# KiCad board WLED Matrix.kicad_pcb (continued)
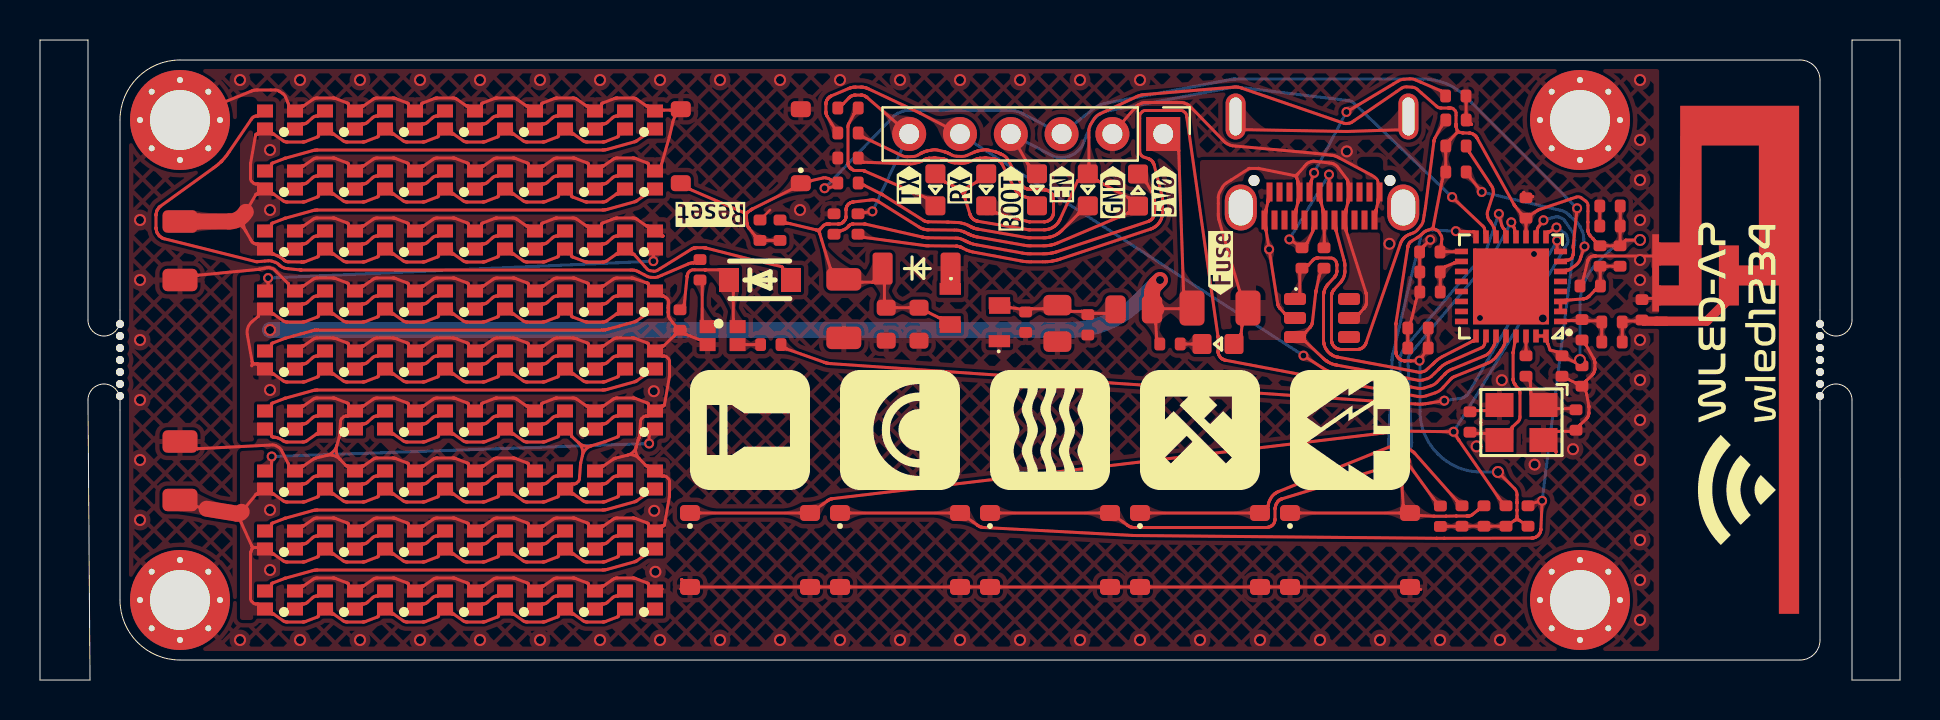
[diagram p0: board, top side]
## Routing (per net, layer and track width the routed paths; a pad name or vN(x,y) marks a point on that pad's centre or on a via; arc(x,y) is an arc through that point) (continued)
GND: length 337.8
  Top w0.127: 66.72,25.14 66.82,25.07 arc(66.84,25.05) 66.86,25.02 66.89,24.97 arc(66.9,24.94) 66.9,24.91 66.9,24.84 arc(66.9,24.81) 66.91,24.78 66.94,24.6 arc(66.96,24.4) 66.94,24.2 ; C60.2 36.5,23.5
  Top w0.15: 15.01,11.02 15.3,10.72 arc(15.31,10.71) 15.31,10.71 15.33,10.7 arc(15.33,10.7) 15.34,10.7 15.39,10.7 arc(15.42,10.69) 15.45,10.68 15.59,10.57 arc(15.75,10.52) 15.91,10.58 16.05,10.68 arc(16.08,10.69) 16.11,10.7 16.16,10.7 arc(16.16,10.7) 16.17,10.7 16.18,10.71 arc(16.18,10.71) 16.19,10.71 arc(16.19,10.71) 16.2,10.72 16.64,11.03 16.68,11.06 arc(16.71,11.07) 16.73,11.08 16.78,11.09 arc(16.8,11.1) 16.82,11.1 17.66,11.1 arc(17.68,11.1) 17.69,11.1 17.72,11.09 arc(17.74,11.09) 17.75,11.08 18.37,10.85 arc(18.38,10.85) 18.39,10.84 arc(18.4,10.84) 18.41,10.83 18.42,10.81 arc(18.42,10.8) 18.43,10.79 18.43,10.74 arc(18.43,10.7) 18.45,10.68 18.59,10.57 arc(18.75,10.52) 18.91,10.57 19.05,10.68 arc(19.08,10.69) 19.11,10.7 19.16,10.7 arc(19.16,10.7) 19.17,10.7 19.18,10.71 arc(19.18,10.71) 19.19,10.71 arc(19.19,10.71) 19.2,10.72 19.64,11.03 19.68,11.06 arc(19.71,11.07) 19.73,11.08 19.78,11.09 arc(19.8,11.1) 19.82,11.1 20.66,11.1 arc(20.68,11.1) 20.69,11.1 20.72,11.09 arc(20.74,11.09) 20.75,11.08 21.37,10.85 arc(21.38,10.85) 21.39,10.84 arc(21.4,10.84) 21.41,10.83 21.42,10.81 arc(21.42,10.8) 21.43,10.79 21.43,10.74 arc(21.43,10.7) 21.45,10.68 21.59,10.57 arc(21.75,10.52) 21.91,10.57 22.05,10.68 arc(22.08,10.69) 22.11,10.7 22.16,10.7 arc(22.16,10.7) 22.17,10.7 22.18,10.71 arc(22.18,10.71) 22.19,10.71 arc(22.19,10.71) 22.2,10.72 22.64,11.03 22.68,11.06 arc(22.71,11.07) 22.73,11.08 22.78,11.09 arc(22.8,11.1) 22.82,11.1 23.66,11.1 arc(23.68,11.1) 23.69,11.1 23.72,11.09 arc(23.74,11.09) 23.75,11.08 24.37,10.85 arc(24.38,10.85) 24.39,10.84 arc(24.4,10.84) 24.41,10.83 24.42,10.81 arc(24.42,10.8) 24.43,10.79 24.43,10.74 arc(24.43,10.7) 24.45,10.68 RGB48.3 ; 15.01,11.02 arc(14.83,11.35) 14.84,11.72 ; 15.01,11.02 arc(14.69,11.22) 14.32,11.22 ; C55.2 77.08,19.86 arc(77.15,20.02) 77.2,20.19 77.37,20.89 arc(77.37,20.9) 77.37,20.9 arc(77.37,20.91) 77.37,20.91 77.37,20.92 arc(77.38,20.92) 77.38,20.92 77.38,20.93 arc(77.38,20.94) 77.38,20.94 77.39,20.95 arc(77.39,20.96) 77.39,20.97 arc(77.39,20.97) 77.39,20.98 77.4,20.99 arc(77.41,21.01) 77.41,21.03 77.44,21.06 arc(77.45,21.07) 77.46,21.09 77.46,21.09 arc(77.47,21.1) 77.48,21.11 arc(77.49,21.12) 77.5,21.13 77.52,21.14 arc(77.54,21.16) 77.57,21.18 77.64,21.2 arc(77.67,21.21) 77.7,21.21 77.73,21.2 arc(77.74,21.2) 77.74,21.2 arc(77.74,21.2) 77.74,21.2 arc(77.74,21.2) 77.74,21.2 77.76,21.2 arc(77.77,21.2) 77.77,21.2 arc(77.77,21.2) 77.78,21.2 77.78,21.2 arc(77.78,21.2) 77.79,21.2 arc(77.79,21.2) 77.79,21.2 80.62,21.2 ; RGB58.3 13.05,4.68 arc(13.08,4.69) 13.11,4.7 13.16,4.7 arc(13.16,4.7) 13.17,4.7 13.18,4.71 arc(13.18,4.71) 13.19,4.71 arc(13.19,4.71) 13.2,4.72 13.64,5.03 13.68,5.06 arc(13.71,5.07) 13.73,5.08 13.78,5.09 arc(13.8,5.1) 13.82,5.1 14.66,5.1 arc(14.68,5.1) 14.69,5.1 14.72,5.09 arc(14.74,5.09) 14.75,5.08 15.37,4.85 arc(15.38,4.85) 15.39,4.84 arc(15.4,4.84) 15.41,4.83 15.42,4.81 arc(15.42,4.8) 15.43,4.79 15.43,4.74 arc(15.43,4.7) 15.45,4.68 15.59,4.57 arc(15.75,4.52) 15.91,4.58 16.05,4.68 arc(16.08,4.69) 16.11,4.7 16.16,4.7 arc(16.16,4.7) 16.17,4.7 16.18,4.71 arc(16.18,4.71) 16.19,4.71 arc(16.19,4.71) 16.2,4.72 16.64,5.03 16.68,5.06 arc(16.71,5.07) 16.73,5.08 16.78,5.09 arc(16.8,5.1) 16.82,5.1 17.66,5.1 arc(17.68,5.1) 17.69,5.1 17.72,5.09 arc(17.74,5.09) 17.75,5.08 18.37,4.85 arc(18.38,4.85) 18.39,4.84 arc(18.4,4.84) 18.41,4.83 18.42,4.81 arc(18.42,4.8) 18.43,4.79 18.43,4.74 arc(18.43,4.7) 18.45,4.68 18.59,4.57 arc(18.75,4.52) 18.91,4.57 19.05,4.68 arc(19.08,4.69) 19.11,4.7 19.16,4.7 arc(19.16,4.7) 19.17,4.7 19.18,4.71 arc(19.18,4.71) 19.19,4.71 arc(19.19,4.71) 19.2,4.72 19.64,5.03 19.68,5.06 arc(19.71,5.07) 19.73,5.08 19.78,5.09 arc(19.8,5.1) 19.82,5.1 20.66,5.1 arc(20.68,5.1) 20.69,5.1 20.72,5.09 arc(20.74,5.09) 20.75,5.08 21.37,4.85 arc(21.38,4.85) 21.39,4.84 arc(21.4,4.84) 21.41,4.83 21.42,4.81 arc(21.42,4.8) 21.43,4.79 21.43,4.74 arc(21.43,4.7) 21.45,4.68 21.59,4.57 arc(21.75,4.52) 21.91,4.58 22.05,4.68 arc(22.08,4.69) 22.11,4.7 22.16,4.7 arc(22.16,4.7) 22.17,4.7 22.18,4.71 arc(22.18,4.71) 22.19,4.71 arc(22.19,4.71) 22.2,4.72 22.64,5.03 22.68,5.06 arc(22.71,5.07) 22.73,5.08 22.78,5.09 arc(22.8,5.1) 22.82,5.1 23.66,5.1 arc(23.68,5.1) 23.69,5.1 23.72,5.09 arc(23.74,5.09) 23.75,5.08 24.37,4.85 arc(24.38,4.85) 24.39,4.84 arc(24.4,4.84) 24.41,4.83 24.42,4.81 arc(24.42,4.8) 24.43,4.79 24.43,4.74 arc(24.43,4.7) 24.45,4.68 24.59,4.57 arc(24.75,4.52) 24.91,4.58 25.05,4.68 arc(25.08,4.69) 25.11,4.7 25.16,4.7 arc(25.16,4.7) 25.17,4.7 25.18,4.71 arc(25.18,4.71) 25.19,4.71 arc(25.19,4.71) 25.2,4.72 25.64,5.03 25.68,5.06 arc(25.71,5.07) 25.73,5.08 25.78,5.09 arc(25.8,5.1) 25.82,5.1 26.66,5.1 arc(26.68,5.1) 26.69,5.1 26.72,5.09 arc(26.74,5.09) 26.75,5.08 27.37,4.85 arc(27.38,4.85) 27.39,4.84 arc(27.4,4.84) 27.41,4.83 27.42,4.81 arc(27.42,4.8) 27.43,4.79 27.43,4.74 arc(27.43,4.7) 27.45,4.68 27.59,4.57 arc(27.75,4.52) 27.91,4.57 28.05,4.68 arc(28.08,4.69) 28.11,4.7 28.16,4.7 arc(28.16,4.7) 28.17,4.7 28.18,4.71 arc(28.18,4.71) 28.19,4.71 arc(28.19,4.71) 28.2,4.72 28.64,5.03 28.68,5.06 arc(28.71,5.07) 28.73,5.08 28.78,5.09 arc(28.8,5.1) 28.82,5.1 29.66,5.1 arc(29.68,5.1) 29.69,5.1 29.72,5.09 arc(29.74,5.09) 29.75,5.08 30.37,4.85 arc(30.38,4.85) 30.39,4.84 arc(30.4,4.84) 30.41,4.83 30.42,4.81 arc(30.42,4.8) 30.43,4.79 30.43,4.74 arc(30.43,4.7) 30.45,4.68 30.62,4.55 arc(30.76,4.49) 30.91,4.5 31.04,4.54 arc(31.08,4.55) 31.11,4.55 ; RGB16.3 13.05,22.68 arc(13.08,22.69) 13.11,22.7 13.16,22.7 arc(13.16,22.7) 13.17,22.7 13.18,22.71 arc(13.18,22.71) 13.19,22.71 arc(13.19,22.71) 13.2,22.72 13.64,23.03 13.68,23.06 arc(13.71,23.07) 13.73,23.08 13.78,23.09 arc(13.8,23.1) 13.82,23.1 14.66,23.1 arc(14.68,23.1) 14.69,23.1 14.72,23.09 arc(14.74,23.09) 14.75,23.08 15.37,22.85 arc(15.38,22.85) 15.39,22.84 arc(15.4,22.84) 15.41,22.83 15.42,22.81 arc(15.42,22.8) 15.43,22.79 15.43,22.74 arc(15.43,22.7) 15.45,22.68 15.59,22.57 arc(15.75,22.52) 15.91,22.58 16.05,22.68 arc(16.08,22.69) 16.11,22.7 16.16,22.7 arc(16.16,22.7) 16.17,22.7 16.18,22.71 arc(16.18,22.71) 16.19,22.71 arc(16.19,22.71) 16.2,22.72 16.64,23.03 16.68,23.06 arc(16.71,23.07) 16.73,23.08 16.78,23.09 arc(16.8,23.1) 16.82,23.1 17.66,23.1 arc(17.68,23.1) 17.69,23.1 17.72,23.09 arc(17.74,23.09) 17.75,23.08 18.37,22.85 arc(18.38,22.85) 18.39,22.84 arc(18.4,22.84) 18.41,22.83 18.42,22.81 arc(18.42,22.8) 18.43,22.79 18.43,22.74 arc(18.43,22.7) 18.45,22.68 18.59,22.57 arc(18.75,22.52) 18.91,22.58 19.05,22.68 arc(19.08,22.69) 19.11,22.7 19.16,22.7 arc(19.16,22.7) 19.17,22.7 19.18,22.71 arc(19.18,22.71) 19.19,22.71 arc(19.19,22.71) 19.2,22.72 19.64,23.03 19.68,23.06 arc(19.71,23.07) 19.73,23.08 19.78,23.09 arc(19.8,23.1) 19.82,23.1 20.66,23.1 arc(20.68,23.1) 20.69,23.1 20.72,23.09 arc(20.74,23.09) 20.75,23.08 21.37,22.85 arc(21.38,22.85) 21.39,22.84 arc(21.4,22.84) 21.41,22.83 21.42,22.81 arc(21.42,22.8) 21.43,22.79 21.43,22.74 arc(21.43,22.7) 21.45,22.68 21.59,22.57 arc(21.75,22.52) 21.91,22.57 22.05,22.68 arc(22.07,22.7) 22.08,22.74 22.08,22.79 arc(22.08,22.8) 22.08,22.81 22.09,22.83 arc(22.1,22.84) 22.11,22.84 22.13,22.85 22.75,23.08 arc(22.76,23.09) 22.78,23.09 22.81,23.1 arc(22.82,23.1) 22.84,23.1 23.67,23.1 arc(23.7,23.1) 23.72,23.09 23.77,23.08 arc(23.79,23.07) 23.82,23.06 24.3,22.72 arc(24.31,22.71) 24.31,22.71 arc(24.32,22.71) 24.32,22.71 24.33,22.7 arc(24.34,22.7) 24.34,22.7 24.39,22.7 arc(24.42,22.69) 24.45,22.68 24.59,22.57 arc(24.75,22.52) 24.91,22.58 25.05,22.68 arc(25.07,22.7) 25.08,22.74 25.08,22.79 arc(25.08,22.8) 25.08,22.81 25.09,22.83 arc(25.1,22.84) 25.11,22.84 25.13,22.85 25.75,23.08 arc(25.76,23.09) 25.78,23.09 25.81,23.1 arc(25.82,23.1) 25.84,23.1 26.67,23.1 arc(26.7,23.1) 26.72,23.09 26.77,23.08 arc(26.79,23.07) 26.82,23.06 27.3,22.72 arc(27.31,22.71) 27.31,22.71 arc(27.32,22.71) 27.32,22.71 27.33,22.7 arc(27.34,22.7) 27.34,22.7 27.39,22.7 arc(27.42,22.69) 27.45,22.68 27.59,22.57 arc(27.75,22.52) 27.91,22.58 28.05,22.68 arc(28.07,22.7) 28.08,22.74 28.08,22.79 arc(28.08,22.8) 28.08,22.81 28.09,22.83 arc(28.1,22.84) 28.11,22.84 28.13,22.85 28.75,23.08 arc(28.76,23.09) 28.78,23.09 28.81,23.1 arc(28.82,23.1) 28.84,23.1 29.67,23.1 arc(29.7,23.1) 29.72,23.09 29.77,23.08 arc(29.79,23.07) 29.82,23.06 30.3,22.72 arc(30.31,22.71) 30.31,22.71 arc(30.32,22.71) 30.32,22.71 30.33,22.7 arc(30.34,22.7) 30.34,22.7 30.39,22.7 arc(30.42,22.69) 30.45,22.68 31.05,22.22 arc(31.08,22.21) 31.11,22.2 31.15,22.2 arc(31.15,22.2) 31.15,22.2 arc(31.16,22.2) 31.16,22.2 ; C25.2 7.87,11.56 arc(7.87,11.56) 7.87,11.56 arc(7.87,11.56) 7.87,11.56 7.87,11.56 arc(7.88,11.56) 7.88,11.56 11.47,11.74 11.64,11.75 arc(11.72,11.75) 11.8,11.72 11.94,11.63 arc(12.01,11.58) 12.06,11.51 12.13,11.36 12.41,10.81 arc(12.42,10.81) 12.42,10.81 arc(12.42,10.8) 12.42,10.8 12.42,10.79 arc(12.42,10.78) 12.43,10.78 12.43,10.74 arc(12.43,10.7) 12.45,10.68 12.59,10.57 arc(12.75,10.52) 12.91,10.57 13.05,10.68 arc(13.08,10.69) 13.11,10.7 13.16,10.7 arc(13.16,10.7) 13.17,10.7 13.18,10.71 arc(13.18,10.71) 13.19,10.71 arc(13.19,10.71) 13.2,10.72 13.65,11.03 arc(13.66,11.04) 13.68,11.05 arc(13.69,11.06) 13.7,11.07 13.73,11.08 arc(13.74,11.08) 13.76,11.09 14.32,11.22 ; 30.59,13.32 30.45,13.22 arc(30.42,13.21) 30.39,13.2 30.29,13.2 arc(30.23,13.19) 30.18,13.16 30.08,13.07 arc(30.05,13.02) 30.03,12.96 29.98,12.22 29.97,12.19 arc(29.97,12.17) 29.97,12.15 29.96,12.12 arc(29.95,12.11) 29.95,12.09 29.94,12.08 arc(29.94,12.08) 29.94,12.08 29.94,12.07 arc(29.93,12.06) 29.92,12.05 29.92,12.02 arc(29.91,12.01) 29.91,12 arc(29.9,11.98) 29.9,11.97 29.81,11.65 ; 30.59,13.32 30.91,13.57 ; 30.59,13.32 arc(30.65,13.45) 30.59,13.57 ; 14.32,11.22 arc(14.65,11.4) 14.84,11.72 ; 31.83,28.52 31.65,28.5 arc(31.61,28.5) 31.58,28.5 31.11,28.5 arc(31.08,28.49) 31.04,28.49 30.91,28.47 arc(30.76,28.48) 30.62,28.55 30.45,28.68 arc(30.42,28.69) 30.39,28.7 30.34,28.7 arc(30.34,28.7) 30.33,28.7 30.32,28.71 arc(30.32,28.71) 30.31,28.71 arc(30.31,28.71) 30.3,28.72 29.82,29.06 arc(29.79,29.07) 29.77,29.08 29.72,29.09 arc(29.7,29.1) 29.67,29.1 28.84,29.1 arc(28.82,29.1) 28.81,29.1 28.78,29.09 arc(28.76,29.09) 28.75,29.08 28.13,28.85 28.11,28.84 arc(28.1,28.84) 28.09,28.83 28.08,28.81 arc(28.08,28.8) 28.08,28.79 28.08,28.74 arc(28.07,28.7) 28.05,28.68 27.91,28.57 arc(27.75,28.52) 27.59,28.57 27.45,28.68 arc(27.42,28.69) 27.39,28.7 27.34,28.7 arc(27.34,28.7) 27.33,28.7 27.32,28.71 arc(27.32,28.71) 27.31,28.71 arc(27.31,28.71) 27.3,28.72 26.82,29.06 arc(26.79,29.07) 26.77,29.08 26.72,29.09 arc(26.7,29.1) 26.67,29.1 25.84,29.1 arc(25.82,29.1) 25.81,29.1 25.78,29.09 arc(25.76,29.09) 25.75,29.08 25.13,28.85 25.11,28.84 arc(25.1,28.84) 25.09,28.83 25.08,28.81 arc(25.08,28.8) 25.08,28.79 25.08,28.74 arc(25.07,28.7) 25.05,28.68 24.91,28.57 arc(24.75,28.52) 24.59,28.57 24.45,28.68 arc(24.42,28.69) 24.39,28.7 24.34,28.7 arc(24.34,28.7) 24.33,28.7 24.32,28.71 arc(24.32,28.71) 24.31,28.71 arc(24.31,28.71) 24.3,28.72 23.82,29.06 arc(23.79,29.07) 23.77,29.08 23.72,29.09 arc(23.7,29.1) 23.67,29.1 22.84,29.1 arc(22.82,29.1) 22.81,29.1 22.78,29.09 arc(22.76,29.09) 22.75,29.08 22.13,28.85 22.11,28.84 arc(22.1,28.84) 22.09,28.83 22.08,28.81 arc(22.08,28.8) 22.08,28.79 22.08,28.74 arc(22.07,28.7) 22.05,28.68 21.91,28.57 arc(21.75,28.52) 21.59,28.57 21.45,28.68 arc(21.42,28.69) 21.39,28.7 21.34,28.7 arc(21.34,28.7) 21.33,28.7 21.32,28.71 arc(21.32,28.71) 21.31,28.71 arc(21.31,28.71) 21.3,28.72 20.82,29.06 arc(20.79,29.07) 20.77,29.08 20.72,29.09 arc(20.7,29.1) 20.67,29.1 19.84,29.1 arc(19.82,29.1) 19.81,29.1 19.78,29.09 arc(19.76,29.09) 19.75,29.08 19.13,28.85 19.11,28.84 arc(19.1,28.84) 19.09,28.83 19.08,28.81 arc(19.08,28.8) 19.08,28.79 19.08,28.74 arc(19.07,28.7) 19.05,28.68 18.91,28.57 arc(18.75,28.52) 18.59,28.57 18.45,28.68 arc(18.43,28.7) 18.43,28.74 18.43,28.79 arc(18.42,28.8) 18.42,28.81 18.41,28.83 arc(18.4,28.84) 18.39,28.84 arc(18.38,28.85) 18.37,28.85 17.75,29.08 arc(17.74,29.09) 17.72,29.09 17.69,29.1 arc(17.68,29.1) 17.66,29.1 16.82,29.1 arc(16.8,29.1) 16.78,29.09 16.73,29.08 arc(16.71,29.07) 16.68,29.06 16.64,29.03 16.2,28.72 arc(16.19,28.71) 16.19,28.71 arc(16.18,28.71) 16.18,28.71 16.17,28.7 arc(16.16,28.7) 16.16,28.7 16.11,28.7 arc(16.08,28.69) 16.05,28.68 15.91,28.58 arc(15.75,28.52) 15.59,28.57 15.45,28.68 arc(15.43,28.7) 15.43,28.74 15.43,28.79 arc(15.42,28.8) 15.42,28.81 15.41,28.83 arc(15.4,28.84) 15.39,28.84 arc(15.38,28.85) 15.37,28.85 14.75,29.08 arc(14.74,29.09) 14.72,29.09 14.69,29.1 arc(14.68,29.1) 14.66,29.1 13.82,29.1 arc(13.8,29.1) 13.78,29.09 13.73,29.08 arc(13.71,29.07) 13.68,29.06 13.64,29.03 13.2,28.72 arc(13.19,28.71) 13.19,28.71 arc(13.18,28.71) 13.18,28.71 13.17,28.7 arc(13.16,28.7) 13.16,28.7 13.11,28.7 arc(13.08,28.69) 13.05,28.68 12.91,28.57 arc(12.75,28.52) 12.59,28.57 12.45,28.68 arc(12.43,28.7) 12.43,28.74 12.43,28.78 arc(12.42,28.78) 12.42,28.79 12.42,28.79 arc(12.42,28.8) 12.42,28.8 arc(12.42,28.8) 12.42,28.81 12.28,29.15 arc(12.23,29.24) 12.15,29.31 11.96,29.44 arc(11.87,29.48) 11.76,29.5 10.81,29.5 arc(10.78,29.5) 10.75,29.49 10.68,29.48 arc(10.64,29.47) 10.61,29.46 10.55,29.43 7,28 ; 31.83,28.52 arc(31.91,28.47) 31.9,28.38 ; 31.83,28.52 arc(32.04,28.53) 32.25,28.54 arc(32.06,28.5) 31.9,28.38 ; C22.2 71.71,13.46 arc(71.75,13.47) 71.78,13.47 72.31,13.47 arc(72.35,13.47) 72.38,13.49 72.97,13.75 ; 69.04,4.52 68.96,4.52 arc(68.93,4.53) 68.89,4.54 68.7,4.59 arc(68.5,4.63) 68.29,4.65 33,4.65 ; J2.B1 61.41,24.04 arc(61.4,24) 61.4,23.96 61.4,23.92 arc(61.4,23.92) 61.4,23.92 61.4,23.91 arc(61.4,23.91) 61.4,23.91 arc(61.4,23.91) 61.4,23.9 61.31,23.55 arc(61.31,23.54) 61.31,23.53 arc(61.3,23.52) 61.3,23.52 61.3,23.5 arc(61.3,23.49) 61.3,23.48 61.3,23.44 arc(61.3,23.4) 61.29,23.36 61.26,23.2 arc(61.24,23) 61.26,22.8 61.29,22.64 arc(61.3,22.6) 61.3,22.56 61.3,22.52 arc(61.3,22.51) 61.3,22.51 61.3,22.5 arc(61.3,22.49) 61.3,22.49 arc(61.3,22.48) 61.3,22.47 v2(61.46,21.53) 61.88,18.86 arc(61.88,18.85) 61.88,18.84 arc(61.88,18.84) 61.88,18.83 61.89,18.81 arc(61.89,18.81) 61.89,18.81 61.9,18.76 arc(61.9,18.75) 61.9,18.73 61.92,18.7 arc(61.92,18.69) 61.93,18.68 61.98,18.61 arc(61.98,18.6) 61.98,18.6 61.99,18.59 arc(62,18.58) 62,18.58 arc(62,18.57) 62.01,18.57 62.22,18.34 arc(62.22,18.34) 62.22,18.33 62.23,18.33 arc(62.23,18.33) 62.23,18.33 arc(62.23,18.33) 62.23,18.33 ESD1.2 ; 30.91,7.58 31.05,7.68 arc(31.08,7.69) 31.11,7.7 31.16,7.7 arc(31.18,7.7) 31.19,7.71 31.21,7.73 arc(31.22,7.74) 31.22,7.75 31.47,9.16 arc(31.47,9.17) 31.47,9.18 arc(31.47,9.18) 31.47,9.19 31.47,9.2 arc(31.47,9.21) 31.48,9.22 31.48,9.94 arc(31.46,10) 31.43,10.06 31.33,10.15 arc(31.28,10.19) 31.22,10.2 31.11,10.2 arc(31.08,10.21) 31.05,10.22 30.45,10.68 arc(30.42,10.69) 30.39,10.7 30.34,10.7 arc(30.33,10.7) 30.33,10.7 30.31,10.71 arc(30.31,10.71) 30.3,10.72 29.95,11.08 ; 30.91,7.58 arc(30.75,7.52) 30.59,7.57 ; 30.91,7.58 arc(30.85,7.45) 30.91,7.33 30.59,7.57 ; 77.99,23.58 C53.2 ; 77.99,23.58 arc(77.97,23.69) 77.91,23.79 arc(77.99,23.75) 78.07,23.79 arc(78.01,23.69) 77.99,23.58 ; 31.87,17.37 31.74,17.25 arc(31.74,17.24) 31.74,17.24 arc(31.74,17.24) 31.74,17.24 31.74,17.24 arc(31.74,17.24) 31.74,17.24 31.2,16.72 arc(31.19,16.71) 31.19,16.71 31.17,16.7 arc(31.16,16.7) 31.16,16.7 31.11,16.7 arc(31.08,16.69) 31.05,16.68 30.91,16.58 ; 31.87,17.37 arc(31.92,17.49) 31.87,17.61 ; 31.87,17.37 arc(32,17.43) 32.15,17.39 ; 15.59,13.57 15.45,13.68 arc(15.43,13.7) 15.43,13.74 15.43,13.79 arc(15.42,13.8) 15.42,13.81 15.41,13.83 arc(15.4,13.84) 15.39,13.84 arc(15.38,13.85) 15.37,13.85 14.75,14.08 arc(14.74,14.09) 14.72,14.09 14.69,14.1 arc(14.68,14.1) 14.66,14.1 13.82,14.1 arc(13.8,14.1) 13.78,14.09 13.73,14.08 arc(13.71,14.07) 13.68,14.06 13.64,14.03 13.2,13.72 arc(13.19,13.71) 13.19,13.71 arc(13.18,13.71) 13.18,13.71 13.17,13.7 arc(13.16,13.7) 13.16,13.7 13.11,13.7 arc(13.08,13.69) 13.05,13.68 RGB37.3 ; 15.59,13.57 arc(15.75,13.52) 15.91,13.58 ; 15.59,13.57 arc(15.65,13.45) 15.59,13.32 ; 30.91,13.57 31.05,13.68 arc(31.08,13.69) 31.11,13.7 31.16,13.7 arc(31.18,13.7) 31.19,13.71 31.21,13.73 arc(31.22,13.74) 31.22,13.75 31.47,15.16 arc(31.47,15.17) 31.47,15.18 arc(31.47,15.18) 31.47,15.19 31.47,15.2 arc(31.47,15.21) 31.48,15.22 31.48,15.94 arc(31.46,16) 31.43,16.06 31.33,16.15 arc(31.28,16.19) 31.22,16.2 31.11,16.2 arc(31.08,16.21) 31.05,16.22 30.91,16.33 ; 30.91,13.57 arc(30.75,13.52) 30.59,13.57 ; C24.2 7.77,20.23 arc(7.8,20.23) 7.84,20.24 7.87,20.24 arc(7.88,20.24) 7.88,20.24 arc(7.88,20.24) 7.89,20.24 10.91,20.53 arc(10.92,20.53) 10.93,20.53 arc(10.93,20.53) 10.94,20.53 10.96,20.54 arc(10.97,20.54) 10.98,20.54 arc(10.98,20.54) 10.99,20.54 11.37,20.62 arc(11.43,20.62) 11.49,20.61 11.62,20.57 arc(11.68,20.55) 11.73,20.51 12.4,19.83 12.41,19.82 arc(12.41,19.82) 12.42,19.81 12.42,19.8 arc(12.42,19.79) 12.43,19.78 12.43,19.74 arc(12.43,19.7) 12.45,19.68 12.59,19.57 arc(12.75,19.52) 12.91,19.57 13.05,19.68 arc(13.08,19.69) 13.11,19.7 13.16,19.7 arc(13.16,19.7) 13.17,19.7 13.18,19.71 arc(13.18,19.71) 13.19,19.71 arc(13.19,19.71) 13.2,19.72 13.64,20.03 13.68,20.06 arc(13.71,20.07) 13.73,20.08 13.78,20.09 arc(13.8,20.1) 13.82,20.1 14.66,20.1 arc(14.68,20.1) 14.69,20.1 14.72,20.09 arc(14.74,20.09) 14.75,20.08 15.37,19.85 arc(15.38,19.85) 15.39,19.84 arc(15.4,19.84) 15.41,19.83 15.42,19.81 arc(15.42,19.8) 15.43,19.79 15.43,19.74 arc(15.43,19.7) 15.45,19.68 15.59,19.57 arc(15.75,19.52) 15.91,19.58 16.05,19.68 arc(16.08,19.69) 16.11,19.7 16.16,19.7 arc(16.16,19.7) 16.17,19.7 16.18,19.71 arc(16.18,19.71) 16.19,19.71 arc(16.19,19.71) 16.2,19.72 16.64,20.03 16.68,20.06 arc(16.71,20.07) 16.73,20.08 16.78,20.09 arc(16.8,20.1) 16.82,20.1 17.66,20.1 arc(17.68,20.1) 17.69,20.1 17.72,20.09 arc(17.74,20.09) 17.75,20.08 18.37,19.85 arc(18.38,19.85) 18.39,19.84 arc(18.4,19.84) 18.41,19.83 18.42,19.81 arc(18.42,19.8) 18.43,19.79 18.43,19.74 arc(18.43,19.7) 18.45,19.68 18.59,19.57 arc(18.75,19.52) 18.91,19.58 19.05,19.68 arc(19.08,19.69) 19.11,19.7 19.16,19.7 arc(19.16,19.7) 19.17,19.7 19.18,19.71 arc(19.18,19.71) 19.19,19.71 arc(19.19,19.71) 19.2,19.72 19.64,20.03 19.68,20.06 arc(19.71,20.07) 19.73,20.08 19.78,20.09 arc(19.8,20.1) 19.82,20.1 20.66,20.1 arc(20.68,20.1) 20.69,20.1 20.72,20.09 arc(20.74,20.09) 20.75,20.08 21.37,19.85 arc(21.38,19.85) 21.39,19.84 arc(21.4,19.84) 21.41,19.83 21.42,19.81 arc(21.42,19.8) 21.43,19.79 21.43,19.74 arc(21.43,19.7) 21.45,19.68 21.59,19.57 arc(21.75,19.52) 21.91,19.57 22.05,19.68 arc(22.08,19.69) 22.11,19.7 22.16,19.7 arc(22.16,19.7) 22.17,19.7 22.18,19.71 arc(22.18,19.71) 22.19,19.71 arc(22.19,19.71) 22.2,19.72 22.64,20.03 22.68,20.06 arc(22.71,20.07) 22.73,20.08 22.78,20.09 arc(22.8,20.1) 22.82,20.1 23.66,20.1 arc(23.68,20.1) 23.69,20.1 23.72,20.09 arc(23.74,20.09) 23.75,20.08 24.37,19.85 arc(24.38,19.85) 24.39,19.84 arc(24.4,19.84) 24.41,19.83 24.42,19.81 arc(24.42,19.8) 24.43,19.79 24.43,19.74 arc(24.43,19.7) 24.45,19.68 24.59,19.57 arc(24.75,19.52) 24.91,19.57 25.05,19.68 arc(25.08,19.69) 25.11,19.7 25.16,19.7 arc(25.16,19.7) 25.17,19.7 25.18,19.71 arc(25.18,19.71) 25.19,19.71 arc(25.19,19.71) 25.2,19.72 25.64,20.03 25.68,20.06 arc(25.71,20.07) 25.73,20.08 25.78,20.09 arc(25.8,20.1) 25.82,20.1 26.66,20.1 arc(26.68,20.1) 26.69,20.1 26.72,20.09 arc(26.74,20.09) 26.75,20.08 27.37,19.85 arc(27.38,19.85) 27.39,19.84 arc(27.4,19.84) 27.41,19.83 27.42,19.81 arc(27.42,19.8) 27.43,19.79 27.43,19.74 arc(27.43,19.7) 27.45,19.68 27.59,19.57 arc(27.75,19.52) 27.91,19.58 28.05,19.68 arc(28.08,19.69) 28.11,19.7 28.16,19.7 arc(28.16,19.7) 28.17,19.7 28.18,19.71 arc(28.18,19.71) 28.19,19.71 arc(28.19,19.71) 28.2,19.72 28.64,20.03 28.68,20.06 arc(28.71,20.07) 28.73,20.08 28.78,20.09 arc(28.8,20.1) 28.82,20.1 29.59,20.1 arc(29.6,20.1) 29.62,20.1 29.64,20.09 arc(29.66,20.09) 29.67,20.09 30.27,19.88 arc(30.3,19.87) 30.32,19.86 30.34,19.85 arc(30.35,19.85) 30.36,19.85 30.38,19.84 arc(30.39,19.84) 30.4,19.83 30.42,19.81 arc(30.42,19.8) 30.43,19.79 30.43,19.74 arc(30.43,19.7) 30.45,19.68 31.05,19.22 arc(31.08,19.21) 31.11,19.2 31.14,19.2 arc(31.15,19.2) 31.16,19.2 arc(31.16,19.2) 31.17,19.2 31.18,19.2 arc(31.18,19.19) 31.19,19.19 31.34,19.09 arc(31.37,19.06) 31.39,19.03 31.43,18.95 arc(31.44,18.91) 31.44,18.87 31.43,18.81 arc(31.43,18.8) 31.43,18.79 31.43,18.79 arc(31.42,18.78)